# Altium PCB praxis_top_level_pcbdoc_v2.PcbDoc (part 4 of 4)
Units mm, origin at the board's own origin, x right, y up, seen from the top; angles counter-clockwise.
Board outline 152.4 x 79.5 mm, 4 copper layers (Top Layer, Int1 (GND), Int2 (PWR), Bottom Layer), stack 1.273 mm thick; 303 components, 266 nets, 1011 pads, 507 vias.
Unrouted connection lines stored in the file: 1.
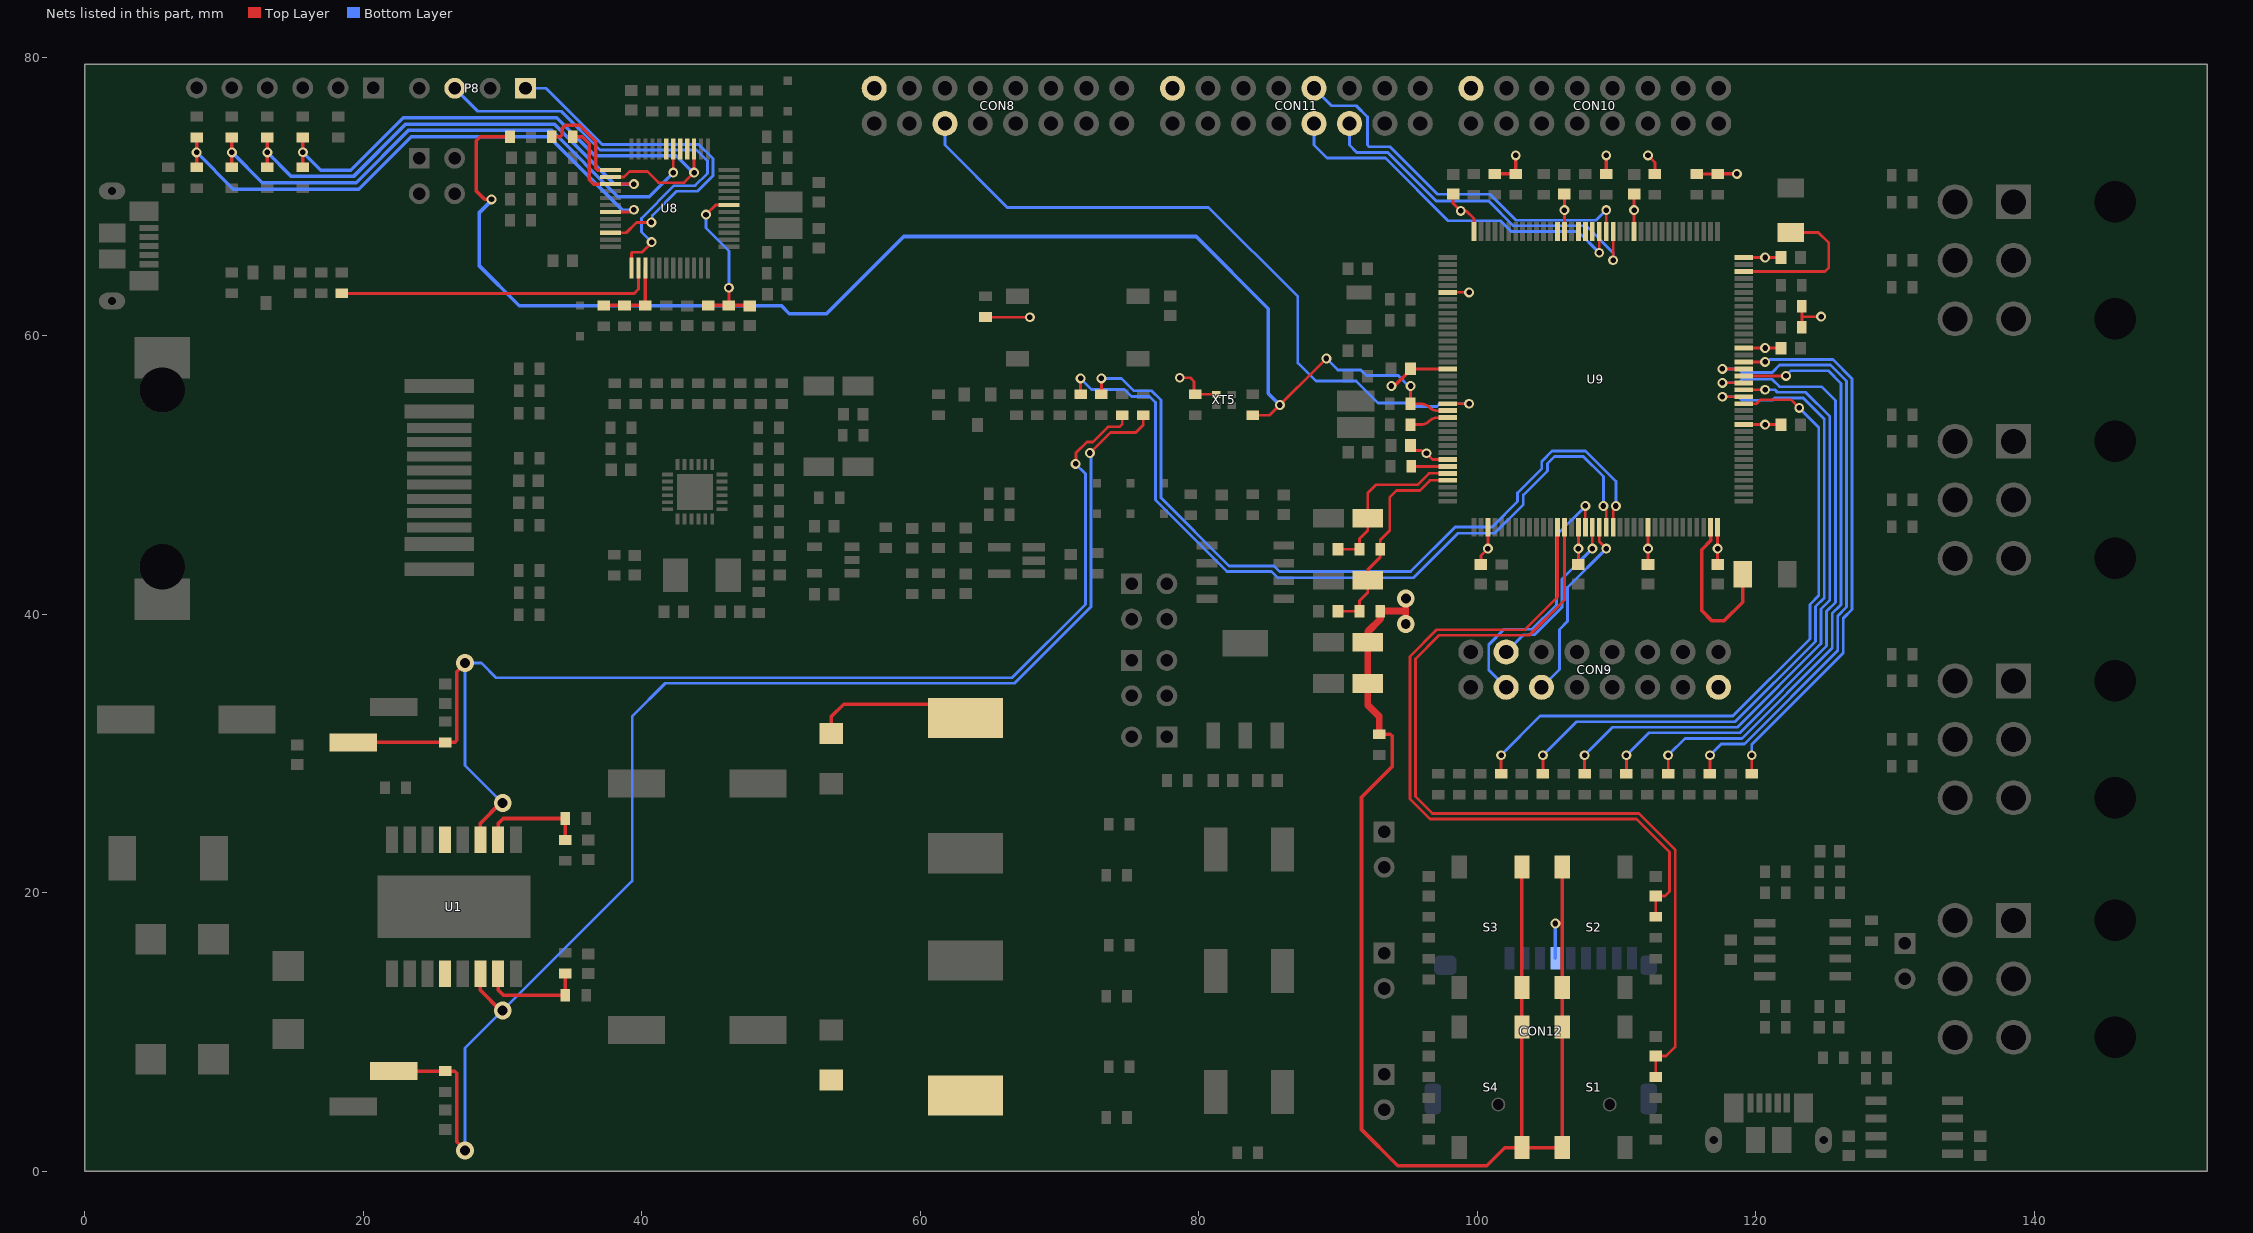
[diagram p6: the nets of this part, all layers, seen from the top]

## Via types
v1: diameter 0.711, hole 0.4, Top Layer to Bottom Layer, 343 vias
v2: diameter 1.27, hole 0.711, Top Layer to Bottom Layer, 160 vias
v3: diameter 5, hole 3, Top Layer to Bottom Layer, 4 vias

## Nets (pads, with @x,y where several pads share a name; then routed paths per layer and width w, separated by ;. In a path a pad name is that pad's centre, name@x,y a point inside that pad or via, vN(x,y) a via of type N, cw(c..) or ccw(c..) an arc to the next point about the centre after c; other vN are vias at no path point) (continued)
Port_F10: CON8.11 U9.22 | length 51.4
  Top Layer w0.2: U9.22@97.875,55.125 v1(99.408,55.125)
  Bottom Layer w0.2: CON8.11@61.76,75.24 61.76,73.7 66.235,69.225 80.266,69.225 80.697,69.225 87.102,62.82 87.102,58.057 88.409,56.75 91.294,56.75 92.869,55.175 94.938,55.175 95.198,54.916 97.089,54.916 97.298,55.125 v1(99.408,55.125)
Port_F11: C67.2 R99.1 U9.49 | length 53.3
  Top Layer w0.2: U9.49@105.75,46.25 105.75,41.236 103.414,38.9 97.081,38.9 95.15,36.969 95.15,26.747 96.597,25.3 111.434,25.3 113.8,22.934 113.8,20.1 113.475,19.775 C67.2@112.8,19.775 R99.1@112.8,18.275
Port_F12: C66.2 R97.1 U9.50 | length 65.1
  Top Layer w0.2: U9.50@106.25,46.25 106.25,41.029 103.721,38.5 97.247,38.5 95.55,36.803 95.55,26.912 96.762,25.7 111.6,25.7 114.2,23.1 114.2,8.925 113.55,8.275 C66.2@112.8,8.275 R97.1@112.8,6.775
Port_F13: CON9.2 U9.53 | length 19.1
  Top Layer w0.2: U9.53@107.75,46.25 v1(107.75,47.783)
  Bottom Layer w0.2: CON9.2@102.065,34.76 100.811,36.014 100.811,37.819 101.923,38.931 103.931,38.931 105.675,40.675 105.675,45.686 107.75,47.761 v1(107.75,47.783)
Port_F14: CON9.15 U9.54 | length 12
  Top Layer w0.2: v1(108.25,44.717) U9.54@108.25,46.25
  Bottom Layer w0.2: CON9.15@102.065,37.3 103.296,38.531 104.097,38.531 106.075,40.509 106.075,42.539 108.25,44.714 v1(108.25,44.717)
Port_F15: CON9.3 U9.55 | length 13.6
  Top Layer w0.2: U9.55@108.75,46.25 108.75,45.221 109.25,44.721 v1(109.25,44.717)
  Bottom Layer w0.2: CON9.3@104.605,34.76 105.891,36.046 105.891,38.917 106.475,39.501 106.475,41.939 109.25,44.714 v1(109.25,44.717)
Port_G0: J30.1 U9.56 | length 57.1
  Top Layer w0.2: J30.1@71.5,55.8 v1(71.5,56.942) ; U9.56@109.248,46.246 v1@109.248,47.578
  Bottom Layer w0.2: v1(71.5,56.942) 72.292,56.15 74.662,56.15 75.163,55.649 76.45,55.649 76.873,55.226 76.873,48.207 82.003,43.077 85.221,43.077 85.677,42.621 95.396,42.621 98.598,45.823 101.223,45.823 103.298,47.898 103.298,48.577 105.025,50.304 105.025,50.825 105.533,51.333 107.601,51.333 109.048,49.886 v1(109.048,47.778)
Port_G1: J29.1 U9.57 | length 56.2
  Top Layer w0.2: J29.1@73,55.8 v1(73,56.942) ; U9.57@109.748,46.246 v1@109.748,47.578
  Bottom Layer w0.2: v1(73,56.942) 74.436,56.942 75.329,56.049 76.616,56.049 77.273,55.392 77.273,48.373 82.169,43.477 85.387,43.477 85.789,43.075 95.208,43.075 98.41,46.277 101.063,46.277 102.883,48.096 102.883,48.727 104.625,50.47 104.625,50.991 105.367,51.733 107.767,51.733 109.948,49.552 v1(109.948,47.778)
Port_G2: R75.1 U9.87 | length 48.8
  Top Layer w0.2: R75.1@101.7,28.55 v1(101.7,29.882) ; U9.87@119.125,55.125 120.029,55.125 120.319,55.416 122.519,55.416 v1(123.109,54.825)
  Bottom Layer w0.2: v1(101.7,29.882) 104.508,32.69 118.339,32.69 123.875,38.225 123.875,40.716 124.509,41.351 124.509,53.425 v1(123.109,54.825)
Port_G3: R76.1 U9.88 | length 50.2
  Top Layer w0.2: R76.1@104.7,28.55 v1(104.7,29.882) ; v1(117.592,55.625) U9.88@119.125,55.625
  Bottom Layer w0.2: v1(104.7,29.882) 107.108,32.29 118.505,32.29 124.275,38.06 124.275,40.55 124.909,41.185 124.909,54.028 123.403,55.535 121.335,55.535 121.175,55.375 118.988,55.375 118.738,55.625 v1(117.592,55.625)
Port_G4: R77.1 U9.89 | length 45.2
  Top Layer w0.2: R77.1@107.7,28.55 v1(107.7,29.882) ; U9.89@119.125,56.125 v1(120.658,56.125)
  Bottom Layer w0.2: v1(107.7,29.882) 109.708,31.89 118.671,31.89 124.675,37.894 124.675,40.385 125.309,41.019 125.309,54.194 123.553,55.95 121.534,55.95 121.359,56.125 v1(120.658,56.125)
Port_G5: R78.1 U9.90 | length 47.2
  Top Layer w0.2: R78.1@110.7,28.55 v1(110.7,29.882) ; v1(117.592,56.625) U9.90@119.125,56.625
  Bottom Layer w0.2: v1(110.7,29.882) 112.308,31.49 118.836,31.49 125.075,37.728 125.075,40.219 125.709,40.854 125.709,55.358 124.718,56.35 121.7,56.35 121.175,56.875 118.988,56.875 118.738,56.625 v1(117.592,56.625)
Port_G6: R79.1 U9.91 | length 43.1
  Top Layer w0.2: R79.1@113.7,28.55 v1(113.7,29.882) ; U9.91@119.125,57.125 v1(122.158,57.125)
  Bottom Layer w0.2: v1(113.7,29.882) 114.908,31.09 119.002,31.09 125.475,37.563 125.475,40.053 126.109,40.688 126.109,56.585 125.194,57.5 122.533,57.5 v1(122.158,57.125)
Port_G7: R80.1 U9.92 | length 44.5
  Top Layer w0.2: R80.1@116.7,28.55 v1(116.7,29.882) ; v1(117.592,57.625) U9.92@119.125,57.625
  Bottom Layer w0.2: v1(116.7,29.882) 117.508,30.69 119.168,30.69 125.875,37.397 125.875,39.888 126.509,40.522 126.509,56.75 125.36,57.9 121.7,57.9 121.175,57.375 118.988,57.375 118.738,57.625 v1(117.592,57.625)
Port_G8: R81.1 U9.93 | length 39.8
  Top Layer w0.2: U9.93@119.125,58.125 v1(120.658,58.125) ; R81.1@119.7,28.55 v1(119.7,29.882)
  Bottom Layer w0.2: v1(119.7,29.882) 119.7,30.656 126.275,37.231 126.275,39.722 126.909,40.357 126.909,56.916 125.525,58.3 120.971,58.3 120.796,58.125 v1(120.658,58.125)
Port_G9: CON11.14 U9.124 | length 26.3
  Top Layer w0.2: v1(109.75,65.425) U9.124@109.75,67.5
  Bottom Layer w0.2: CON11.14@90.812,75.24 90.812,73.7 91.338,73.175 93.557,73.175 97.047,69.685 100.81,69.685 102.594,67.9 107.821,67.9 109.75,65.971 v1(109.75,65.425)
Port_G10: CON11.4 U9.125 | length 27.9
  Top Layer w0.2: U9.125@109.25,67.5 v1(109.25,69.033)
  Bottom Layer w0.2: CON11.4@88.272,77.78 89.526,76.526 91.3,76.526 92.098,75.727 92.098,73.7 92.224,73.575 93.723,73.575 97.132,70.166 100.894,70.166 102.76,68.3 108.517,68.3 v1(109.25,69.033)
Port_G11: CON11.13 U9.126 | length 26.8
  Top Layer w0.2: v1(108.75,65.967) U9.126@108.75,67.5
  Bottom Layer w0.2: CON11.13@88.272,75.24 88.272,73.7 89.198,72.775 93.391,72.775 97.901,68.266 101.663,68.266 102.429,67.5 107.217,67.5 v1(108.75,65.967)
Port_G12: U9.127
Port_G13: U9.128
Port_G14: U9.129
Port_G15: U9.132
Port_H0: J21.2 J36.2 R87.2 U9.23 | length 100.4
  Top Layer w0.2: R87.2@83.85,54.3 85.075,54.3 v1(89.15,58.375) ; v1(95.2,56.4) J36.2@95.2,55.125 95.911,55.125 cw(c95.911,54.186) 96.575,54.85 ccw(c97.118,55.393) 97.118,54.625 U9.23@97.875,54.625
  Top Layer w0.254: v1(29.199,69.8) 28.7,69.8 28.1,70.4 28.1,74 28.4,74.3 J21.2@30.528,74.3
  Bottom Layer w0.2: v1(89.15,58.375) 89.975,57.55 91.625,57.55 92.025,57.15 94.314,57.15 95.064,56.4 v1(95.2,56.4)
  Bottom Layer w0.254: v1(29.199,69.8) 29.199,69.724 28.333,68.858 28.333,65.01 31.193,62.15 50.025,62.15 50.584,61.591 53.258,61.591 58.8,67.133 79.803,67.133 84.983,61.953 84.983,55.862 v1(85.81,55.035)
Port_H1: J38.2 U9.24 | length 2.8
  Top Layer w0.2: J38.2@95.2,53.625 95.911,53.625 ccw(c95.911,54.564) 96.575,53.9 cw(c97.118,53.357) 97.118,54.125 U9.24@97.875,54.125
PWR_EXT: J14.1 R55.1 R57.2 U8.39 | length 5.7
  Top Layer w0.254: R55.1@37.25,62.183 R57.2@38.75,62.183 J14.1@40.25,62.183 U8.39@40.25,64.883
SS1: J3.1 J27.1 R5.2 U1.6 | length 102.6
  Top Layer w0.2: v1(72.165,51.586) 73.643,53.064 75.464,53.064 76,53.6 J27.1@76,54.3
  Top Layer w0.254: J3.1@22.182,7.2 R5.2@25.865,7.2 26.551,7.2 26.7,7.051 26.7,2.126 27.3,1.526 v2(27.3,1.5) ; U1.6@28.405,14.2 28.405,12.995 29.85,11.55 v2(30,11.55)
  Bottom Layer w0.2: v2(27.3,1.5) 27.3,8.85 v2(30,11.55) 39.3,20.85 39.3,32.675 41.675,35.05 66.756,35.05 72.254,40.547 72.254,51.498 v1(72.165,51.586)
SS2: J4.1 J28.1 R6.2 U1.11 | length 90.9
  Top Layer w0.2: v1(71.15,50.802) 71.177,50.829 71.177,51.602 71.96,52.385 72.397,52.385 73.477,53.464 74.289,53.464 74.5,53.675 J28.1@74.5,54.3
  Top Layer w0.254: J4.1@19.262,30.8 R6.2@25.865,30.8 26.551,30.8 26.7,30.949 26.7,35.874 v2@27.3,36.474 ; U1.11@28.405,23.8 28.405,25.005 v2@29.85,26.45
  Bottom Layer w0.2: v2(30,26.45) 27.3,29.15 v2(27.3,36.5) 28.475,36.5 29.525,35.45 66.591,35.45 71.854,40.713 71.854,50.098 v1(71.15,50.802)
STM_JTCK: P8.3 U8.37 | length 32.1
  Top Layer w0.2: U8.37@39.25,64.883 39.25,65.95 39.3,66 40,66 v1@40.714,66.714
  Bottom Layer w0.2: P8.3@26.56,77.78 28.215,76.125 34.209,76.125 36.986,73.348 43.919,73.348 44.7,72.567 44.7,71.666 43.817,70.783 42.317,70.783 39.974,68.44 39.974,67.455 v1(40.7,66.729)
STM_JTMS: P8.1 U8.34 | length 26.1
  Top Layer w0.2: U8.34@37.733,67.4 38.874,67.4 39.62,68.146 v1(40.684,68.146)
  Bottom Layer w0.2: P8.1@31.64,77.78 33.12,77.78 37.152,73.748 44.084,73.748 45.1,72.733 45.1,72.379 45.1,71.5 43.983,70.383 42.483,70.383 40.748,68.648 40.748,68.21 v1(40.684,68.146)
STM_RST: C33.2 J18.2 R51.1 U8.7 | length 12.2
  Top Layer w0.2: v1(44.6,68.7) 45.3,69.4 U8.7@46.267,69.4 ; J18.2@46.25,62.183 v1(46.25,63.45)
  Top Layer w0.254: R51.1@44.75,62.183 J18.2@46.25,62.183 C33.2@47.75,62.183
  Bottom Layer w0.2: v1(44.6,68.7) 44.6,67.743 46.25,66.093 v1(46.25,63.45)
SWout1: D1.2 L1.1 U1.4
SWout2: D2.2 L2.1 U1.13 | length 11.2
  Top Layer w0.254: D2.2@53.594,31.44 53.594,32.666 54.483,33.555 L2.1@63.246,33.555
T_JRST: U8.19
T_JTCK: J22.1 R71.1 U8.15 U8.26 | length 42.5
  Top Layer w0.2: U8.26@37.733,71.4 38.7,71.4 39.1,71.8 40.4,71.8 41.2,71 43.026,71 v1(43.75,71.724) U8.15@43.75,73.417
  Top Layer w0.254: J22.1@15.64,72.1 v1@15.64,73.183 ; R71.1@15.64,74.25 v1@15.64,73.183 ; v1(15.648,73.183) v1@15.64,73.183
  Bottom Layer w0.254: v1(15.648,73.183) 16.932,71.9 19.1,71.9 22.862,75.662 33.889,75.662 36.63,72.921 42.479,72.921 v1@43.75,71.65
T_JTDI: U8.17
T_JTDO: U8.16
T_JTMS: J23.1 R62.1 R72.1 U8.27 | length 39.9
  Top Layer w0.2: U8.27@37.733,70.9 v1(39.426,70.9)
  Top Layer w0.254: J23.1@13.1,72.1 v1(13.1,73.175) R72.1@13.1,74.25 ; R62.1@35.025,74.3 35.725,74.3 36.229,73.796 36.229,71.206 36.535,70.9 U8.27@37.733,70.9
  Bottom Layer w0.254: v1(13.1,73.175) 14.829,71.446 19.288,71.446 23.05,75.208 33.701,75.208 38.009,70.9 v1(39.426,70.9)
T_NRST: J24.1 R73.1 U8.18 | length 40.7
  Top Layer w0.2: v1(42.25,71.724) U8.18@42.25,73.417
  Top Layer w0.254: J24.1@10.56,72.1 v1(10.56,73.175) R73.1@10.56,74.25
  Bottom Layer w0.254: v1(10.56,73.175) 12.743,70.992 19.476,70.992 23.238,74.754 33.513,74.754 38.267,70 40.526,70 v1(42.25,71.724)
T_SWDIO_IN: R62.2 U8.25 | length 7.3
  Top Layer w0.254: R62.2@33.525,74.3 34.126,74.3 34.275,74.449 34.275,74.889 34.517,75.131 35.536,75.131 36.683,73.984 36.683,72.049 36.832,71.9 U8.25@37.733,71.9
T_SWO: J25.1 R74.1 U8.31 | length 40.2
  Top Layer w0.2: U8.31@37.733,68.9 39.134,68.9 39.287,69.053 v1(39.425,69.053)
  Top Layer w0.254: J25.1@8.02,72.1 v1(8.02,73.175) R74.1@8.02,74.25
  Bottom Layer w0.254: v1(8.02,73.175) 10.657,70.538 19.664,70.538 23.426,74.3 33.325,74.3 38.611,69.014 39.387,69.014 v1(39.425,69.053)
USB_RENUMn: R66.2 U8.38 | length 22.9
  Top Layer w0.2: R66.2@18.46,63.05 39.45,63.05 39.75,63.35 U8.38@39.75,64.883
VCAP_1: C54.2 U9.71 | length 12.1
  Top Layer w0.254: U9.71@116.75,46.25 116.75,45.3 116.1,44.65 116.1,40.275 116.85,39.525 117.7,39.525 119.05,40.875 C54.2@119.05,42.875
VCAP_2: C55.2 U9.106 | length 11
  Top Layer w0.2: U9.106@119.125,64.625 124.95,64.625 125.237,64.912 125.237,66.663 124.475,67.425 C55.2@122.5,67.425
VDD: C42.2 C43.2 C44.2 C45.2 C46.2 C47.2 C48.2 C49.2 C50.2 C51.2 C52.2 C53.2 C57.1 C58.1 CON8.8 CON9.8 CON10.8 CON11.8 CON12.4 J32.2 L5.1 R83.2 R85.2 R86.2 R90.2 R91.2 R92.2 R93.2 R94.2 R95.2 R105.2 S1.3 S1.4 S2.3 S2.4 S3.3 S3.4 S4.3 S4.4 U9.6 U9.17 U9.30 U9.39 U9.52 U9.62 U9.72 U9.84 U9.95 U9.108 U9.121 U9.131 U9.144 XT5.4 | length 158.1
  Top Layer w0.2: R105.2@64.675,61.45 R105.2@64.675,61.35 64.69,61.335 v1(67.859,61.335) ; v1(78.625,56.988) 79.385,56.988 79.65,56.723 79.65,55.8 XT5.4@81.25,55.8 ; C43.2@95.2,52.125 95.2,52.075 95.5,51.775 95.988,51.775 96.194,51.569 v1(96.342,51.569) ; C42.2@95.2,57.625 U9.17@97.875,57.625 ; v1@96.342,51.558 96.775,51.125 U9.30@97.875,51.125 ; U9.6@97.875,63.125 v1(99.408,63.125) ; C53.2@98.25,70.175 98.25,69.525 v1(98.8,68.975) 99.2,68.975 99.75,68.425 U9.144@99.75,67.5 ; C44.2@100.25,43.575 100.25,44.217 v1(100.75,44.717) U9.39@100.75,46.25 ; U9.131@106.25,67.5 v1(106.25,69.033) C52.2@106.25,70.175 ; C45.2@107.25,43.575 v1(107.25,44.717) U9.52@107.25,46.25 ; U9.121@111.25,67.5 v1(111.25,69.033) C51.2@111.25,70.175 ; C46.2@112.25,43.575 v1(112.25,44.717) U9.62@112.25,46.25 ; v1(112.25,72.957) 112.75,72.457 R93.2@112.75,71.625 ; R94.2@115.75,71.625 R95.2@117.25,71.625 ; C47.2@117.25,43.575 v1(117.25,44.717) U9.72@117.25,46.25 ; U9.84@119.125,53.625 v1(120.658,53.625) C48.2@121.8,53.625 ; U9.95@119.125,59.125 v1(120.658,59.125) C49.2@121.8,59.125 ; U9.108@119.125,65.625 v1(120.658,65.625) C50.2@121.8,65.625 ; R92.2@123.3,60.625 123.3,61.375 ; R91.2@123.3,62.125 123.3,61.375 ; v1(124.682,61.375) 123.3,61.375
  Top Layer w0.254: J32.2@92.95,31.396 93.751,31.396 93.9,31.247 93.9,29.1 91.675,26.875 91.675,3 94.271,0.404 100.674,0.404 101.971,1.7 S4.3@103.2,1.7 ; v1(93.823,56.4) 93.91,56.487 94.112,56.487 95.2,57.575 C42.2@95.2,57.625 ; R85.2@101.25,71.625 R86.2@102.75,71.625 ; R86.2@102.75,71.675 v1(102.75,72.957) ; S3.4@103.2,21.85 S3.3@103.2,13.2 S4.4@103.2,10.35 S4.3@103.2,1.7 ; v1(105.6,17.8) 105.618,17.818 106.1,17.818 ; S2.3@106.1,21.85 106.1,17.818 ; R90.2@109.25,71.675 v1(109.25,72.957) ; R95.2@117.25,71.625 v1(118.632,71.625) ; S4.3@103.2,1.7 S1.4@106.1,1.7 S1.3@106.1,10.35 S2.4@106.1,13.2 106.1,17.818
  Top Layer w0.5: J32.2@92.95,31.396 92.95,32.65 92.125,33.475 C58.1@92.125,35.025 C57.1@92.125,38 92.125,38.75 93.025,39.65 L5.1@93.025,40.225 94.854,40.225 ; v2(94.854,39.311) 94.854,40.225 ; v2(94.862,41.133) 94.854,41.125 94.854,40.225
  Bottom Layer w0.254: CON12.4@105.6,15.3 v1(105.6,17.8)
VDDA: C59.1 C61.2 J33.1 L5.2 U9.33 | length 15.3
  Top Layer w0.2: C61.2@90,40.225 L5.2@91.525,40.225 91.525,40.975 92.125,41.575 C59.1@92.125,42.45 92.125,43.2 93.025,44.1 J33.1@93.025,44.675 93.025,45.325 93.7,46 93.7,48.4 94.2,48.9 95.866,48.9 96.591,49.625 U9.33@97.875,49.625
Vref1: R1.1 R3.2 U1.7 | length 7.7
  Top Layer w0.254: U1.7@29.675,14.2 29.675,13.02 30.034,12.661 R1.1@34.501,12.661 R3.2@34.501,14.2
Vref2: R2.1 R4.2 U1.10 | length 7.7
  Top Layer w0.254: U1.10@29.675,23.8 29.675,24.98 30.034,25.339 R2.1@34.501,25.339 R4.2@34.501,23.8
VREF+: C60.1 C62.2 J33.2 U9.32 | length 12.2
  Top Layer w0.2: C62.2@90,44.675 J33.2@91.525,44.675 91.525,45.425 92.125,46.025 C60.1@92.125,46.9 92.125,48.725 92.7,49.3 95.7,49.3 96.525,50.125 U9.32@97.875,50.125
VSSA: J34.2 U9.31 | length 2.6
  Top Layer w0.2: J34.2@95.25,50.625 U9.31@97.875,50.625
pads on no net: CON2. CON3. CON4. CON5. CON6.9 CON6.15 CON6.16 CON10.5 CON10.6 CON10.7 CON10.10 CON10.11 CON11.7 CON11.10 CON12.NC F1.2 F3.2 P4.2 P6.2 U1.8 U1.16 U3.4 U6.5 U8.4 U8.11 U8.14 U8.22 U8.40 U8.41 U8.42 U8.43 U8.45 U8.46 U10.4

## Polygon pours and split planes (outlines as drawn)
GND on Top Layer "GND_L01_P123" (solid, pour order 123): 104.3,71.975 104.15,72.125 104.15,73.4 104.45,73.7 105.275,73.7 106.85,72.125 106.7,71.975 106.7,71.625 104.3,71.625
VDD on Top Layer "VDD_L01_P122" (solid, pour order 122): 100.8,71.975 100.65,72.125 102.225,73.7 103.225,73.7 103.45,73.475 103.45,72.225 103.2,71.975 103.2,71.625 100.8,71.625
GND on Top Layer "GND_L01_P121" (solid, pour order 121): 97.8,71.975 97.65,72.125 97.65,73.4 97.95,73.7 98.775,73.7 100.35,72.125 100.2,71.975 100.2,71.625 97.8,71.625
GND on Top Layer "GND_L01_P113" (solid, pour order 113): 116.06,0.3 116.06,3.93 117.72,5.59 119.1,5.59 119.1,3.38 119.28,3.2 122.43,3.2 122.72,3.49 122.72,5.59 124.1,5.59 125.76,3.93 125.76,0.3
+12V_FUSE on Top Layer "+12V_FUSE_L01_P070" (solid, pour order 70): 138.5,28.924 ccw(c138.5,26.824) 136.4,26.824 ccw(c138.5,26.824) 138.5,24.724 142.8,24.724 cw(c142.8,22.793) 144.166,24.158 144.3,24.024 ccw(c145.507,25.231) 145.507,23.524 151.6,23.524 151.6,30.224 145.752,30.224 ccw(c145.748,28.176) 144.3,29.624 144.166,29.49 cw(c142.8,30.855) 142.8,28.924
GND on Top Layer "GND_L01_P111" (solid, pour order 111): 114.561,9.939 114.561,20.561 118,24 129,24 132.5,20.5 135,20.5 136,19.5 136,8.5 135,7.5 131.55,7.5 130.025,9.025 115.475,9.025
VDD on Top Layer "VDD_L01_P110" (solid, pour order 110): 107.416,22.65 106.865,23.2 104.6,23.2 104.6,0 106.676,0 107.416,0.74
VDD on Top Layer "VDD_L01_P109" (solid, pour order 109): 101.884,22.65 102.435,23.2 104.7,23.2 104.7,0 102.624,0 101.884,0.74
GND on Top Layer "GND_L01_P083" (solid, pour order 83): 62,47.574 67.526,53.1 84.4,53.1 88.725,48.775 88.725,33.7 85.4,33.7 84.7,33 84.7,27.1 84.2,26.6 73.5,26.6 73.5,38.02 73.22,38.3 62,38.3
GND on Top Layer "GND_L01_P080" (solid, pour order 80): 62,38.3 53.2,38.3 53.2,47.3 53.474,47.574 62,47.574
GND on Top Layer "GND_L01_P108" (solid, pour order 108): 70.5,37.5 0,37.5 0,39.1 70.5,39.1
GND on Top Layer "GND_L01_P038" (solid, pour order 38): 17.2,30.2 18.9,28.5 25.4,28.5 26.315,29.415 26.315,38.6 17.2,38.6
+12V on Top Layer "+12V_L01_P020" (solid, pour order 20): 20,10 24.9,10 25,10.1 25,12.941 21.059,12.941 20,14
+12V on Top Layer "+12V_L01_P023" (solid, pour order 23): 22.975,14.2 23.675,14.2 23.675,13.15 23.884,12.941 24,12.941 24,12.6 22.6,12.6 22.6,12.941 22.766,12.941 22.975,13.15
+12V on Top Layer "+12V_L01_P024" (solid, pour order 24): 24.245,14.2 24.945,14.2 24.945,12.996 25,12.941 25,12.6 23.87,12.6 23.87,12.941 24.036,12.941 24.245,13.15
+12V on Top Layer "+12V_L01_P037" (solid, pour order 37): 22.975,23.8 23.675,23.8 23.675,24.85 23.884,25.059 24,25.059 24,25.4 22.6,25.4 22.6,25.059 22.766,25.059 22.975,24.85
SWout1 on Top Layer "SWOUT1_L01_P039" (solid, pour order 39): 25.865,14.2 25.515,14.2 25.515,12.996 25.46,12.941 25.46,12.6 27.5,12.6 27.5,12.787 27.5,12.81 27.369,12.941 26.424,12.941 26.215,13.15 26.215,14.2
SWout2 on Top Layer "SWOUT2_L01_P047" (solid, pour order 47): 25.865,23.8 25.515,23.8 25.515,25.004 25.46,25.059 25.46,25.4 27.5,25.4 27.5,25.213 27.5,25.19 27.369,25.059 26.424,25.059 26.215,24.85 26.215,23.8
+12V_FUSE on Top Layer "+12V_FUSE_L01_P069" (solid, pour order 69): 138.5,11.724 ccw(c138.5,9.624) 136.4,9.624 ccw(c138.5,9.624) 138.5,7.524 142.8,7.524 cw(c142.8,5.593) 144.166,6.958 144.3,6.824 ccw(c145.507,8.031) 145.507,6.324 151.6,6.324 151.6,13.024 145.752,13.024 ccw(c145.748,10.976) 144.3,12.424 144.166,12.29 cw(c142.8,13.655) 142.8,11.724
+12V_FUSE on Top Layer "+12V_FUSE_L01_P071" (solid, pour order 71): 138.5,46.124 ccw(c138.5,44.024) 136.4,44.024 ccw(c138.5,44.024) 138.5,41.924 142.8,41.924 cw(c142.8,39.993) 144.166,41.358 144.3,41.224 ccw(c145.507,42.431) 145.507,40.724 151.6,40.724 151.6,47.424 145.752,47.424 ccw(c145.748,45.376) 144.3,46.824 144.166,46.69 cw(c142.8,48.055) 142.8,46.124
+12V_FUSE on Top Layer "+12V_FUSE_L01_P072" (solid, pour order 72): 138.5,63.324 ccw(c138.5,61.224) 136.4,61.224 ccw(c138.5,61.224) 138.5,59.124 142.8,59.124 cw(c142.8,57.193) 144.166,58.558 144.3,58.424 ccw(c145.507,59.631) 145.507,57.924 151.6,57.924 151.6,64.624 145.752,64.624 ccw(c145.748,62.576) 144.3,64.024 144.166,63.89 cw(c142.8,65.255) 142.8,63.324
GND on Top Layer "GND_L01_P107" (solid, pour order 107): 3.63,61.6 3.63,60.5 0,60.5 0,61.6
+5V_USB_STLINK on Top Layer "+5V_USB_STLINK_L01_P104" (solid, pour order 104): 5.583,64.925 5.583,65.375 5.683,65.475 7.458,65.475 8.608,64.325 8.608,63.675 7.683,62.75 6.858,62.75 6.408,63.2 6.408,64.55 6.133,64.825 5.683,64.825
GND on Top Layer "GND_L01_P105" (solid, pour order 105): 0,71.3 3.63,71.3 5.29,69.64 5.29,68.26 3.08,68.26 2.9,68.08 2.9,64.93 3.19,64.64 5.29,64.64 5.29,63.26 3.63,61.6 0,61.6
GND on Top Layer "GND_L01_P106" (solid, pour order 106): 0,39.1 0,60.5 8,60.5 9.5,59 9.5,41.1 11.5,39.1
SWout2 on Top Layer "SWOUT2_L01_P046" (solid, pour order 46): 25.46,25.4 25.46,27.86 27.2,29.6 27.2,33.45 30.75,37 69.1,37 70,36.1 70,30.7 68.1,28.8 58.7,28.8 57.6,29.9 52.2,29.9 51.2,30.9 51.2,31.9 50.2,32.9 33.2,32.9 29.7,29.4 29.7,27.6 27.5,25.4
SWout1 on Top Layer "SWOUT1_L01_P036" (solid, pour order 36): 25.46,12.6 25.46,10.14 27.2,8.4 27.2,4.55 30.75,1 69.1,1 70,1.9 70,7.3 68.1,9.2 58.7,9.2 57.6,8.1 52.2,8.1 51.2,7.1 51.2,6.1 50.2,5.1 33.2,5.1 29.7,8.6 29.7,10.4 27.5,12.6
GND on Top Layer "GND_L01_P103" (solid, pour order 103): 21,16.75 21.75,16 32.8,16 32.8,19 21,19
GND on Top Layer "GND_L01_P101" (solid, pour order 101): 21,21.25 21.75,22 32.8,22 32.8,19 21,19
GND on Top Layer "GND_L01_P086" (solid, pour order 86): 32.4,47.561 33.203,47.561 33.503,47.261 34.303,47.261 34.55,47.508 34.55,48.802 32.4,48.802
GND on Top Layer "GND_L01_P095" (solid, pour order 95): 32.4,58.082 33.203,58.082 33.561,58.082 34.803,56.84 32.4,56.84
GND on Top Layer "GND_L01_P094" (solid, pour order 94): 32.4,39.518 33.203,39.518 33.561,39.518 34.803,40.76 32.4,40.76
GND on Top Layer "GND_L01_P093" (solid, pour order 93): 32.4,41.993 33.203,41.993 33.503,42.293 34.303,42.293 34.803,41.793 34.803,40.751 32.4,40.751
GND on Top Layer "GND_L01_P092" (solid, pour order 92): 32.4,55.607 33.203,55.607 33.503,55.307 34.303,55.307 34.803,55.807 34.803,56.848 32.4,56.848
CT on Top Layer "CT_L01_P091" (solid, pour order 91): 29.353,49.032 29.353,48.582 29.578,48.357 31.103,48.357 31.103,49.257 29.578,49.257
CT on Top Layer "CT_L01_P088" (solid, pour order 88): 31.158,46.106 30.267,46.105 29.353,47.02 29.353,47.495 29.578,47.72 31.103,47.72 31.158,47.665
CT on Top Layer "CT_L01_P087" (solid, pour order 87): 31.158,51.508 30.267,51.509 29.353,50.594 29.353,50.119 29.578,49.894 31.103,49.894 31.158,49.949
GND on Top Layer "GND_L01_P085" (solid, pour order 85): 32.4,50.044 33.203,50.044 33.503,50.344 34.303,50.344 34.55,50.097 34.55,48.802 32.4,48.802
+12V on Top Layer "+12V_L01_P082" (solid, pour order 82): 21.9,28 18.846,28 20.046,26.8 21.9,26.8
+12V on Top Layer "+12V_L01_P025" (solid, pour order 25): 20,26.846 23.829,26.846 24.2,26.475 24.2,25.175 24.084,25.059 21.059,25.059 20,24
+12V on Top Layer "+12V_L01_P010" (solid, pour order 10): 0,31.444 0,37 7,37 8.1,35.9 8.1,30.9 9.3,29.7 17.146,29.7 20,26.846 20,10 19.4,10 17.3,12.1 17.3,16.3 12.5,21.1 12.5,24.144 10.444,26.2 8,26.2 5.24,28.96 5.24,31.444
GND on Top Layer "GND_L01_P059" (solid, pour order 59): 70.5,39.1 70.5,0 73.52,0 73.52,39.1
+3V3_MCP1825 on Top Layer "+3V3_MCP1825_L01_P079" (solid, pour order 79): 85.7,33.2 90.8,33.2 91.5,32.5 91.5,27.2 90.9,26.6 85.6,26.6 85.1,27.1 85.1,32.6
+3V3_SPI_FUSE on Top Layer "+3V3_SPI_FUSE_L01_P055" (solid, pour order 55): 90.62,11.695 91.12,12.195 91.12,16.595 90.61,17.105 85.12,17.105 84.32,16.305 84.32,12.495 85.12,11.695
+5V_SPI_FUSE on Top Layer "+5V_SPI_FUSE_L01_P056" (solid, pour order 56): 90.62,20.4 91.12,20.9 91.12,25.3 90.61,25.81 85.12,25.81 84.32,25.01 84.32,21.2 85.12,20.4
+3V3_SPI on Top Layer "+3V3_SPI_L01_P058" (solid, pour order 58): 76.6,17.105 76.1,16.605 76.1,12.205 76.61,11.695 82.1,11.695 82.9,12.495 82.9,16.305 82.1,17.105
+5V_SPI on Top Layer "+5V_SPI_L01_P057" (solid, pour order 57): 76.6,25.81 76.1,25.31 76.1,20.91 76.61,20.4 82.1,20.4 82.9,21.2 82.9,25.01 82.1,25.81
+12V_FUSE on Top Layer "+12V_FUSE_L01_P054" (solid, pour order 54): 90.62,2.99 91.12,3.49 91.12,7.89 90.61,8.4 85.12,8.4 84.32,7.6 84.32,3.79 85.12,2.99
+12V on Top Layer "+12V_L01_P053" (solid, pour order 53): 76.6,8.4 76.1,7.9 76.1,3.5 76.61,2.99 82.1,2.99 82.9,3.79 82.9,7.6 82.1,8.4
GND on Top Layer "GND_L01_P050" (solid, pour order 50): 31.75,19 31.75,17 33.278,15.472 37.272,15.472 38.4,16.6 38.4,19
GND on Top Layer "GND_L01_P049" (solid, pour order 49): 31.75,19 31.75,21 33.278,22.528 37.272,22.528 38.4,21.4 38.4,19
no net on Top Layer "NONET_L01_P048" (solid, pour order 48): 36.152,23.1 36.702,23.1
GND on Top Layer "GND_L01_P032" (solid, pour order 32): 45.864,13.1 54.3,13.1 55.724,11.676 55.724,9.324 55.06,8.66 52.06,8.66 50.7,7.3 50.7,6.3 50,5.6 45.7,5.6 44.1,7.2 44.1,11.336
GND on Top Layer "GND_L01_P045" (solid, pour order 45): 45.864,24.9 54.3,24.9 55.724,26.324 55.724,28.676 55.06,29.34 52.06,29.34 50.7,30.7 50.7,31.7 50,32.4 45.7,32.4 44.1,30.8 44.1,26.664
+5V_SPI on Top Layer "+5V_SPI_L01_P044" (solid, pour order 44): 68.05,19.25 70,21.2 70,25.951 68.101,27.85 58.8,27.85 54.85,23.9 45.5,23.9 43.1,26.3 43.1,30.8 41.5,32.4 33.5,32.4 30.2,29.1 30.2,27.6 31.35,26.45 34.775,26.45 35.225,26 35.225,23.671 36.85,23.671 36.85,23.35 40.95,19.25
+3V3_SPI on Top Layer "+3V3_SPI_L01_P030" (solid, pour order 30): 68.05,18.75 70,16.8 70,12.049 68.101,10.15 58.8,10.15 54.85,14.1 45.5,14.1 43.1,11.7 43.1,7.2 41.5,5.6 33.5,5.6 30.2,8.9 30.2,10.4 31.35,11.55 34.775,11.55 35.225,12 35.225,14.329 36.85,14.329 36.85,14.65 40.95,18.75
GND on Top Layer "GND_L01_P006" (solid, pour order 6): 16.8,11.815 19.115,9.5 25.4,9.5 26.315,8.585 26.315,0 16.8,0
GND on Top Layer "GND_L01_P028" (solid, pour order 28): 17.2,38.6 8.6,38.6 8.6,31 9.4,30.2 17.2,30.2
+12V on Top Layer "+12V_L01_P012" (solid, pour order 12): 0,19.49 4.39,19.49 5.7,20.8 5.7,24 5.017,24.683 5.017,32.513 3.986,33.544 0,33.544
GND on Top Layer "GND_L01_P005" (solid, pour order 5): 0,11.815 16.8,11.815 16.8,8.614 16.8,0 0,0
+12V_JACK on Top Layer "+12V_JACK_L01_P003" (solid, pour order 3): 0,12.9 16.8,12.9 16.8,16.1 12,20.9 12,24 10.3,25.7 8,25.7 6.3,24 6.3,20.6 4.7,19 0,19
GND on Bottom Layer "GND_L04_P114" (solid, pour order 114): 0,39.625 71.825,39.625 73.675,37.775 73.675,0.155 73.52,0 0,0
+5V_SPI on Int2 (PWR) (split plane): 44.822,28.222 44.874,28.182 44.935,28.156 45,28.148 78.371,28.148 83.248,23.271 83.248,19.052 28.093,19.052 28.093,29.441 28.093,37.348 35.696,37.348
+3V3_SPI on Int2 (PWR) (split plane): 83.248,10.352 61.1,10.352 61.035,10.344 60.974,10.318 60.922,10.278 55.996,5.352 32.504,5.352 28.093,9.763 28.093,13.391 28.093,18.548 83.248,18.548
+12V on Int2 (PWR) (split plane): 27.589,35.141 27.589,29.441 27.589,18.8 27.589,13.391 27.589,9.659 27.598,9.594 27.623,9.533 27.663,9.481 32.222,4.922 32.274,4.882 32.335,4.856 32.4,4.848 56.1,4.848 56.165,4.856 56.226,4.882 56.278,4.922 61.204,9.848 83.248,9.848 83.248,0.102 0.102,0.102 0.102,37.348 27.589,37.348
+5V_USB_STLINK on Int2 (PWR) (split plane): 7.997,64.903 8.049,64.863 8.11,64.838 8.175,64.829 14.114,64.829 16.448,62.496 16.448,61.204 15.796,60.552 14.904,60.552 12.978,62.478 12.926,62.518 12.865,62.544 12.8,62.552 6.604,62.552 5.727,63.429 5.727,65.045 6.13,65.448 7.452,65.448
GND on Int2 (PWR) (split plane): 27.589,58.396 27.589,37.852 0.102,37.852 0.102,59.848 26.137,59.848
+3V3_STLINK on Int2 (PWR) (split plane): 53.748,64.6 53.756,64.535 53.782,64.474 53.822,64.422 61.048,57.196 61.048,54.665 60.235,53.852 58.904,53.852 54.078,58.678 54.026,58.718 53.965,58.744 53.9,58.752 27.946,58.752 26.419,60.278 26.367,60.318 26.306,60.344 26.241,60.352 16.309,60.352 16.878,60.922 16.918,60.974 16.944,61.035 16.952,61.1 16.952,62.6 16.944,62.665 16.918,62.726 16.878,62.778 14.397,65.26 14.345,65.3 14.284,65.325 14.218,65.334 8.28,65.334 7.735,65.878 7.683,65.918 7.622,65.944 7.557,65.952 6.025,65.952 5.96,65.944 5.899,65.918 5.847,65.878 5.297,65.328 5.257,65.276 5.232,65.215 5.223,65.15 5.223,63.325 5.232,63.26 5.257,63.199 5.297,63.147 6.322,62.122 6.374,62.082 6.435,62.056 6.5,62.048 12.696,62.048 14.391,60.352 0.102,60.352 0.102,79.398 53.748,79.398
+5V_SPI_FUSE on Int2 (PWR) (split plane): 302 vertices, not listed, extent 36.409,7.375 141.649,79.398
+12V_FUSE on Int2 (PWR) (split plane): 152.298,0.102 83.752,0.102 83.752,9.848 99.296,9.848 104.698,4.446 104.72,4.428 104.75,4.406 104.811,4.38 104.876,4.372 144.53,4.372 144.7,4.381 144.869,4.41 145.033,4.457 145.191,4.522 145.34,4.605 145.479,4.704 145.606,4.818 145.72,4.945 145.819,5.084 145.902,5.233 145.967,5.391 146.014,5.555 146.043,5.724 146.052,5.894 146.052,9.424 146.052,79.398 152.298,79.398
+3V3_SPI_FUSE on Int2 (PWR) (split plane): 277 vertices, not listed, extent 83.752,4.875 145.549,79.398
CT on Int2 (PWR) (split plane): 38.348,56.9 38.356,56.835 38.382,56.774 38.422,56.722 41.248,53.896 41.248,48 41.256,47.935 41.282,47.874 41.322,47.822 44.698,44.445 44.721,44.428 44.75,44.405 44.811,44.38 44.876,44.372 49.77,44.372 49.835,44.38 49.896,44.405 49.948,44.445 55.175,49.673 56.148,49.673 56.148,37.852 28.093,37.852 28.093,58.248 38.348,58.248
+3V3_MCP1825 on Int2 (PWR) (split plane): 127.848,31.904 122.696,26.752 87.904,26.752 86.752,27.904 86.752,37.6 86.744,37.665 86.718,37.726 86.678,37.778 77.482,46.975 77.482,51.57 77.473,51.635 77.448,51.696 77.426,51.726 77.408,51.748 75.878,53.278 75.826,53.318 75.765,53.344 75.7,53.352 68.512,53.352 68.447,53.344 68.404,53.326 68.386,53.318 68.364,53.301 68.334,53.278 65.233,50.177 55.071,50.177 55.006,50.169 54.945,50.143 54.893,50.103 49.665,44.876 44.981,44.876 41.752,48.105 41.752,54 41.744,54.065 41.718,54.126 41.678,54.178 38.852,57.004 38.852,58.248 53.796,58.248 58.622,53.422 58.644,53.404 58.674,53.382 58.735,53.356 58.8,53.348 60.339,53.348 60.405,53.356 60.466,53.382 60.518,53.422 61.478,54.382 61.518,54.434 61.544,54.495 61.552,54.561 61.552,57.3 61.544,57.365 61.518,57.426 61.478,57.478 54.252,64.704 54.252,79.398 55.448,79.398 55.448,71.895 55.456,71.83 55.482,71.769 55.522,71.717 68.417,58.822 68.469,58.782 68.53,58.756 68.595,58.748 75.082,58.748 77.927,55.903 77.979,55.863 78.04,55.838 78.105,55.829 81.621,55.829 83.754,53.696 83.754,51.281 83.763,51.216 83.788,51.155 83.828,51.102 92.323,42.608 92.323,31.2 92.331,31.135 92.357,31.074 92.397,31.022 93.747,29.672 93.769,29.654 93.799,29.632 93.86,29.606 93.925,29.598 122.4,29.598 122.465,29.606 122.526,29.632 122.578,29.672 126.583,33.676 126.623,33.729 126.648,33.789 126.657,33.855 126.657,57.511 126.648,57.577 126.623,57.638 126.583,57.69 123.928,60.344 123.468,60.805 123.468,65.26 123.459,65.325 123.434,65.386 123.411,65.415 123.394,65.438 121.777,67.054 121.777,79.398 127.848,79.398
VDD on Int2 (PWR) (split plane): 121.273,66.95 121.281,66.885 121.307,66.824 121.347,66.772 122.963,65.155 122.963,60.701 122.972,60.636 122.997,60.575 123.037,60.523 123.572,59.988 126.153,57.407 126.153,33.959 122.296,30.102 94.029,30.102 92.827,31.304 92.827,42.712 92.819,42.777 92.793,42.838 92.771,42.868 92.753,42.89 84.258,51.385 84.258,53.801 84.25,53.866 84.225,53.927 84.202,53.956 84.185,53.979 81.904,56.26 81.851,56.3 81.791,56.325 81.725,56.334 78.21,56.334 75.365,59.178 75.313,59.218 75.252,59.244 75.187,59.252 68.7,59.252 55.952,72 55.952,79.398 121.273,79.398
GND on Int1 (GND) (split plane): 152.298,0.102 0.102,0.102 0.102,79.398 152.298,79.398

## Other copper
Top Layer:
  pour cut-out: 134.3,18.412 134.3,13.436 125.017,13.436 125.017,18.412
Int2 (PWR) (plane layer: these items are gaps in the copper):
  lines w0.5: 0,37.6 27.841,37.6 ; 0,60.1 1.1,60.1 26.241,60.1 27.841,58.5 ; 27.841,35.141 27.841,37.6 ; 30.2,29.1 30.2,27.6 31.35,26.45 ; 38.6,58.5 38.6,56.9 41.5,54 41.5,48 44.876,44.624 49.77,44.624 55.071,49.925 56.415,49.925 ; 54,79.5 54,64.6 61.3,57.3 61.3,54.561 60.339,53.6 58.8,53.6 53.9,58.5 27.841,58.5 ; 55.7,79.5 55.7,71.895 68.595,59 75.187,59 78.105,56.082 81.725,56.082 84.006,53.801 84.006,51.281 92.575,42.712 92.575,31.2 93.925,29.85 122.4,29.85 126.405,33.855 126.405,57.511 123.75,60.166 123.215,60.701 123.215,65.26 121.525,66.95 121.525,79.478 ; 77.209,46.891 86.5,37.6 86.5,27.8 87.8,26.5 122.8,26.5 128.1,31.8 128.1,79.6 ; 77.23,46.912 77.23,51.57 75.7,53.1 68.512,53.1 65.337,49.925 65.287,49.925 56.4,49.925 56.4,37.6 27.841,37.6 ; 83.5,0 83.5,10.1 ; 83.5,23.3 83.5,18.8 ; 136.4,79.5 136.4,69.024 136.4,68.631 ccw(c138.107,68.631) 136.9,67.424 ccw(c137.866,68.39) 137.866,67.024 140.1,67.024 140.63,67.024 cw(c140.63,65.754) 141.9,65.754 141.9,55.994 cw(c140.63,55.994) 140.63,54.724 137.67,54.724 ccw(c137.67,53.454) 136.4,53.454 136.4,51.294 ccw(c137.67,51.294) 137.67,50.024 140.63,50.024 cw(c140.63,48.754) 141.9,48.754 141.9,38.994 cw(c140.63,38.994) 140.63,37.724 137.67,37.724 ccw(c137.67,36.454) 136.4,36.454 136.4,34.294 ccw(c137.67,34.294) 137.67,33.024 140.63,33.024 cw(c140.63,31.754) 141.9,31.754 141.9,21.994 cw(c140.63,21.994) 140.63,20.724 137.67,20.724 ccw(c137.67,19.454) 136.4,19.454 136.4,17.294 ccw(c137.67,17.294) 137.67,16.024 140.63,16.024 cw(c140.63,14.754) 141.9,14.754 141.9,8.394 cw(c140.63,8.394) 140.63,7.124 116.576,7.124 104.9,18.8 83.5,18.8 ; 145.8,79.5 145.8,9.424 145.8,5.894 cw(c144.53,5.894) 144.53,4.624 104.876,4.624 99.4,10.1 83.5,10.1 ; 27.841,18.8 27.841,29.441 27.841,37.6 ; 27.841,18.8 83.5,18.8 ; 27.841,18.8 27.841,13.391 27.841,9.659 32.4,5.1 56.1,5.1 61.1,10.1 83.5,10.1 ; 27.841,37.6 27.841,58.5 ; 27.841,37.6 35.8,37.6 45,28.4 78.475,28.4 83.5,23.375 83.5,18.8 ; 83.5,10.1 83.5,18.8 ; 5.475,63.325 5.475,65.15 6.025,65.7 7.557,65.7 8.175,65.082 11.088,65.082 14.218,65.082 16.7,62.6 16.7,61.1 15.9,60.3 14.8,60.3 12.8,62.3 6.5,62.3 5.475,63.325

## Text inside footprints (layer, text, board x,y; h text height)
C3: Top Overlay "+" at 38.778,13.86 h1.52; Mechanical 13 "+" at 38.778,13.86 h1.52
C4: Top Overlay "+" at 38.778,31.54 h1.52; Mechanical 13 "+" at 38.778,31.54 h1.52
C14: Top Overlay "+" at 2.09,36.144 h1.52; Mechanical 13 "+" at 2.09,36.144 h1.52
CON2: Top Overlay "4" at 133.8,71.937 h1 r270; Top Overlay "1" at 138,71.77 h1 r270
CON3: Top Overlay "4" at 133.8,54.737 h1 r270; Top Overlay "1" at 138,54.57 h1 r270
CON4: Top Overlay "4" at 133.8,37.537 h1 r270; Top Overlay "1" at 138,37.37 h1 r270
CON5: Top Overlay "4" at 133.8,20.337 h1 r270; Top Overlay "1" at 138,20.17 h1 r270
L1: Top Overlay "470" at 64.008,8.264 h1.52 r90; Mechanical 13 "470" at 64.008,8.264 h1.52 r90
L2: Top Overlay "470" at 62.484,29.736 h1.52 r270; Mechanical 13 "470" at 62.484,29.736 h1.52 r270
U9: Mechanical 13 "*" at 98.467,65.24 h1.27